# Altium PCB Daughterboard_PCB.PcbDoc (continued)
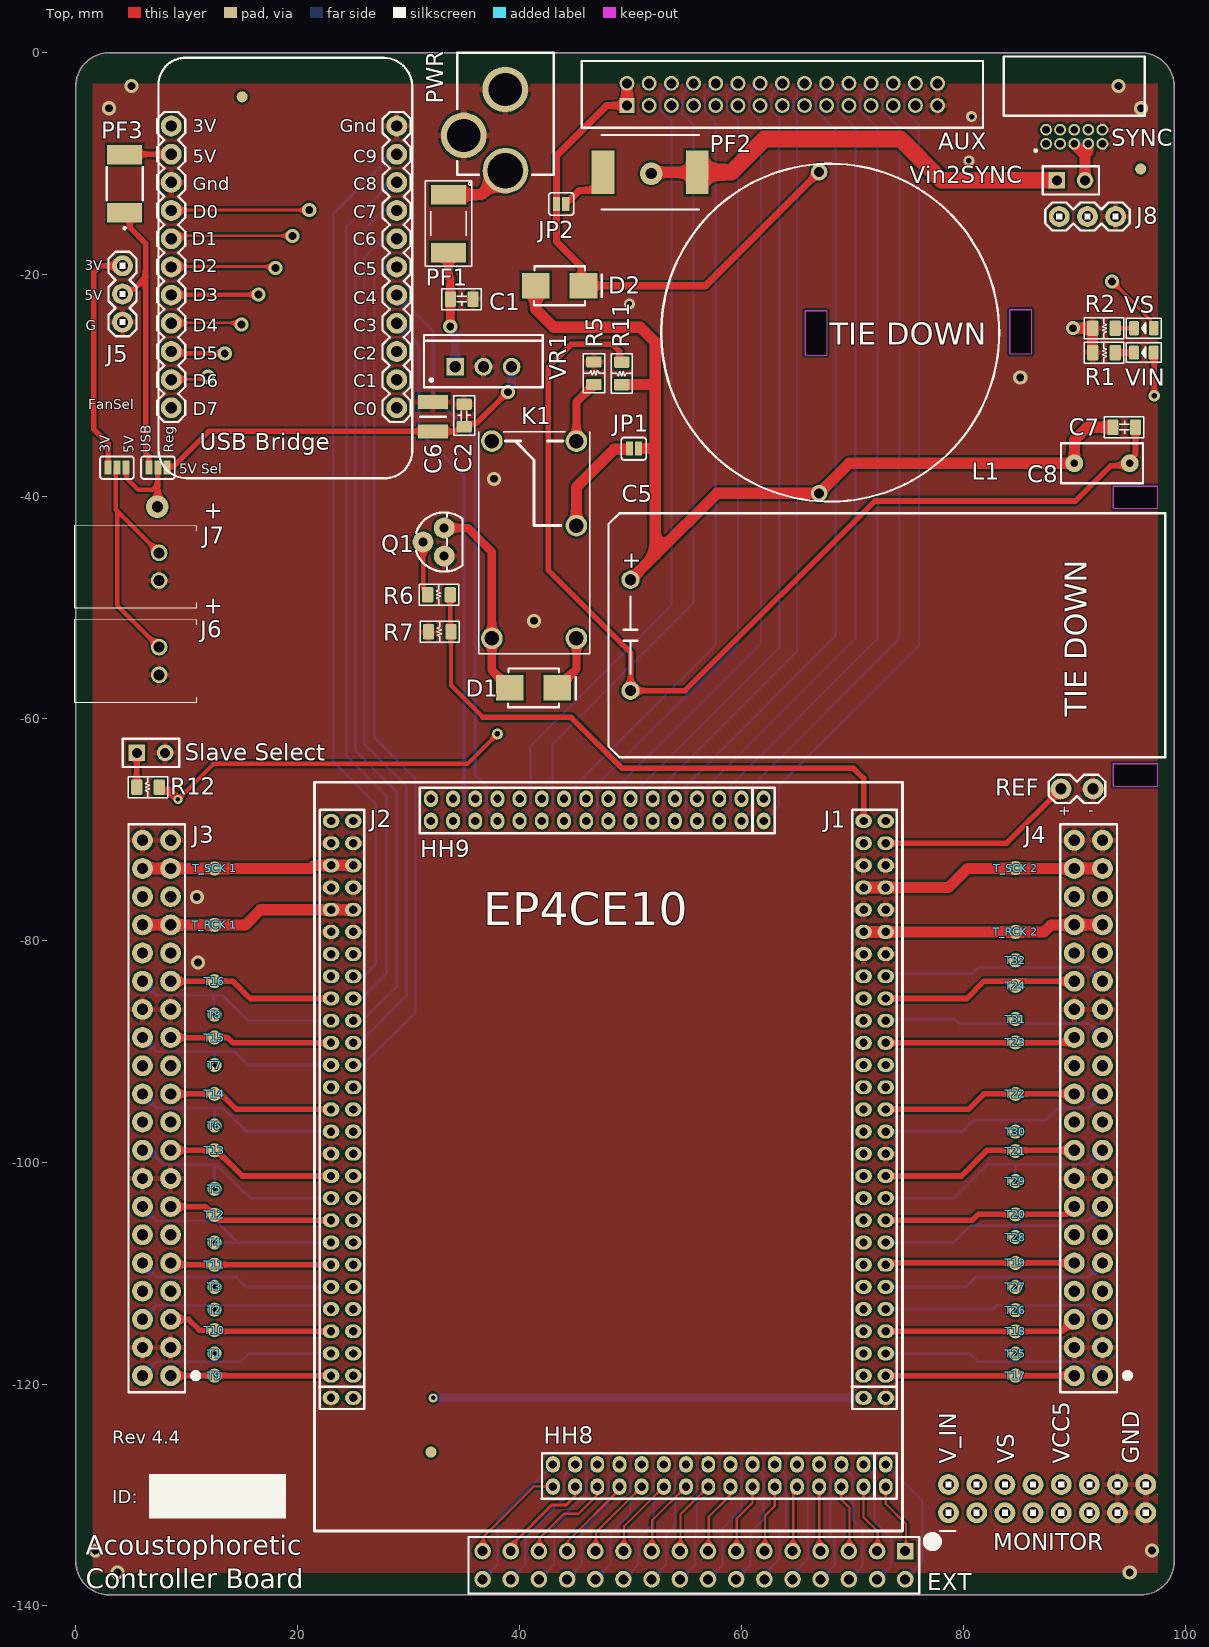
[diagram p0: Top view]
## Footprints (in the part's own frame and the unit in brackets; to place one, negate y for a bottom-side part, rotate by r counter-clockwise, add the part's x,y. Pads: shape width x height; smd on the part's side, far side on the other; paste and mask are expansions set on the pad)
1X02_LOCK_ [mil]
  round 74 hole 40: 1(-7,0) 2(107,0)
  silkscreen extent -50,-50 150,50, body extent -50,-49 150,49, height 241
1X03 [mil]
  round 74 hole 40: 1(0,0) 2(100,0) 3(200,0)
  silkscreen extent -50,-50 250,50
2X8_NOSILK [mil]
  round 74 hole 40: 1(0,0) 2(0,100) 3(100,0) 4(100,100) 5(200,0) 6(200,100) 7(300,0) 8(300,100) 9(400,0) 10(400,100) 11(500,0) 12(500,100) 13(600,0) 14(600,100) 15(700,0) 16(700,100)
  silkscreen extent -30,-65 710,110, body extent -50,-50 750,150, height 374
2X20_SOCKET [mil]
  round 74 hole 40: 1(0,0) 2(100,0) 3(0,-100) 4(100,-100) 5(0,-200) 6(100,-200) 7(0,-300) 8(100,-300) 9(0,-400) 10(100,-400) 11(0,-500) 12(100,-500) 13(0,-600) 14(100,-600) 15(0,-700) 16(100,-700) 17(0,-800) 18(100,-800) 19(0,-900) 20(100,-900) 21(0,-1000) 22(100,-1000) 23(0,-1100) 24(100,-1100) 25(0,-1200) 26(100,-1200) 27(0,-1300) 28(100,-1300) 29(0,-1400) 30(100,-1400) 31(0,-1500) 32(100,-1500) 33(0,-1600) 34(100,-1600) 35(0,-1700) 36(100,-1700) 37(0,-1800) 38(100,-1800) 39(0,-1900) 40(100,-1900)
  silkscreen extent -98,-1957 150,59, body extent -124,-2049 226,151, height 87
1812L010DR [mm]
  rect 1.78x3.15 smd: 1(-2.615,0) 2(2.615,0)
  silkscreen extent -4.1,-1.62 1.5,1.62, body extent -2.27,-1.63 2.27,1.63, height 0.75
CAP0805 [mil]
  rrect25% 55x40 smd: 1(0,40) 2(0,-40)
  silkscreen extent -38,-70 38,70, body extent -25,-39 25,39, height 49
"CAP-PTH-10MM PITCH 22M" [mil]
  round 65 hole 39.37: A(0,0) C(0,-393.7)
  silkscreen extent -79,-630 1898,236, body extent 79,-630 1898,236, height 846
CAPC3225X270N [mm]
  rect 1.26x2.72 smd: 1(-1.33,0) 2(1.33,0)
  silkscreen extent 0,-1.15 0,1.15, body extent -1.6,-1.25 1.6,1.25, height 2.7
FT232H [mil]
  round 74 hole 40: 3V(0,0) 5V(0,-100) C0(800,-1000) C1(800,-900) C2(800,-800) C3(800,-700) C4(800,-600) C5(800,-500) C6(800,-400) C7(800,-300) C8(800,-200) C9(800,-100) D0(0,-300) D1(0,-400) D2(0,-500) D3(0,-600) D4(0,-700) D5(0,-800) D6(0,-900) D7(0,-1000) GND(0,-200) GND(800,0)
  silkscreen extent -50,-1250 855,242, body extent -44,-1256 857,244, height 439
FUSM8867X300N [mm]
  rect 2.05x3.9 smd: 1(-4.25,0) 2(4.25,0)
  silkscreen extent -4.38,-3.35 4.38,3.35, body extent -4.13,-3.38 4.62,3.33, height 2.94
HDR1X2 [mm] "Connector; Header; 2 Position"
  rect 1.5x1.5 hole 0.9: 1(0,0)
  round 1.5 hole 0.9: 2(2.54,0)
  silkscreen extent -1.27,-1.27 3.81,1.27
HDR2X16 [mm] "Connector; Header; 16x2 Position"
  rect 1.5x1.5 hole 0.9: 1(0,0)
  round 1.5 hole 0.9: 2(0,2.54) 3(2.54,0) 4(2.54,2.54) 5(5.08,0) 6(5.08,2.54) 7(7.62,0) 8(7.62,2.54) 9(10.16,0) 10(10.16,2.54) 11(12.7,0) 12(12.7,2.54) 13(15.24,0) 14(15.24,2.54) 15(17.78,0) 16(17.78,2.54) 17(20.32,0) 18(20.32,2.54) 19(22.86,0) 20(22.86,2.54) 21(25.4,0) 22(25.4,2.54) 23(27.94,0) 24(27.94,2.54) 25(30.48,0) 26(30.48,2.54) 27(33.02,0) 28(33.02,2.54) 29(35.56,0) 30(35.56,2.54) 31(38.1,0) 32(38.1,2.54)
  silkscreen extent -1.27,-1.27 39.37,3.81, body extent -1.27,-1.27 39.37,3.81, height 9.5
"HEADER 16X2 - 2MM" [mm]
  oval 1.5x1.25 hole 0.75: 1(0,0) 2(2,0) 3(0,-2) 4(2,-2) 5(0,-4) 6(2,-4) 7(0,-6) 8(2,-6) 9(0,-8) 10(2,-8) 11(0,-10) 12(2,-10) 13(0,-12) 14(2,-12) 15(0,-14) 16(2,-14) 17(0,-16) 18(2,-16) 19(0,-18) 20(2,-18) 21(0,-20) 22(2,-20) 23(0,-22) 24(2,-22) 25(0,-24) 26(2,-24) 27(0,-26) 28(2,-26) 29(0,-28) 30(2,-28) 31(0,-30) 32(2,-30)
  silkscreen extent -1,-31 3.1,1, body extent -1.01,-31.11 2.99,1.18, height 6.35
"HEADER 27X2 - 2MM" [mm]
  oval 1.5x1.25 hole 0.75: 1(-30,-8) 2(-28,-8) 3(-30,-10) 4(-28,-10) 5(-30,-12) 6(-28,-12) 7(-30,-14) 8(-28,-14) 9(-30,-16) 10(-28,-16) 11(-30,-18) 12(-28,-18) 13(-30,-20) 14(-28,-20) 15(-30,-22) 16(-28,-22) 17(-30,-24) 18(-28,-24) 19(-30,-26) 20(-28,-26) 21(-30,-28) 22(-28,-28) 23(-30,-30) 24(-28,-30) 25(-30,-32) 26(-28,-32) 27(-30,-34) 28(-28,-34) 29(-30,-36) 30(-28,-36) 31(-30,-38) 32(-28,-38) 33(-30,-40) 34(-28,-40) 35(-30,-42) 36(-28,-42) 37(-30,-44) 38(-28,-44) 39(-30,-46) 40(-28,-46)
  oval 1.5x1.25 hole 0.762: 41(-30,-48) 42(-28,-48) 43(-30,-50) 44(-28,-50) 45(-30,-52) 46(-28,-52) 47(-30,-54) 48(-28,-54) 49(-30,-56) 50(-28,-56) 51(-30,-58) 52(-28,-58) 53(-30,-60) 54(-28,-60)
  silkscreen extent -31,-61.01 -26.95,-7, body extent -30.98,-61.14 -26.98,-6.84, height 6.35
"INDUCTOR HOR 2324VRC" [mm]
  round 1.5 hole 0.9: 1(-14.478,0) 2(14.478,0)
  silkscreen extent -15.23,-14.23 15.23,16.23, body extent -14.7,-13.82 14.94,15.82, height 14.15
"LED-0805 - GREEN" [mil]
  rrect25% 35x50 smd: +(-35,0) -(35,0)
  silkscreen extent -63,-35 63,35, body extent -40,-25 38,25, height 16
"LED-0805 - RED" [mil]
  rrect25% 35x50 smd: +(-35,0) -(35,0)
  silkscreen extent -63,-35 63,35, body extent -39,-25 39,25, height 16
OOKA-78SR [mm] "TO, Thru-Hole, Vertical, Heatsink Mounted; 3 In-Line Leads; Pitch 2.54 mm"
  round 1.6 hole 1: GND(0,0) OUT(2.54,0)
  rect 1.6x1.6 hole 1: IN(-2.54,0)
  silkscreen extent -5.35,-1.85 5.35,2.85, body extent -5.21,-2.79 5.21,4.94, height 16.58
PAD.03X.05 [mm]
  rrect100% 1.27x1.27 smd paste-0.635: P$1(0,0)
POLYFUSE [mm]
  rect 1.78x3.15 smd: 1(-2.615,0) 2(2.615,0)
  silkscreen extent -3.85,-2.1 3.85,2.1, body extent -2.3,-1.59 2.25,1.65, height 0.71
POWER_JACK_PTH_LOCK [mil]
  round 162 hole 118: GND(1,258.15) GNDBREAK(148.09,421.26)
  round 162 hole 125.98: PWR(0,546.37)
  silkscreen extent -171,128 171,561, body extent -177,0 193,567, height 433
"R82DC3330AA60K FILM CAP" [mm]
  round 1.6 / inner round 1.2 / far side round 1.6 hole 0.7: A(0,0) C(5,0)
  silkscreen extent -1.2,-1.8 6.2,1.8, body extent -1.2,-1.81 6.2,1.8, height 7.6
RES-0805 [mil]
  rrect25% 55x40 smd: 1(0,40) 2(0,-40)
  silkscreen extent -38,-70 38,70, body extent -24,-40 26,38, height 24
S2BXHA1LFSN [mm]
  round 1.5 hole 1: 1(0,0) 2(2.5,0)
  silkscreen extent -2.45,-3.4 5,7.6, body extent -2.37,-0.33 4.84,7.71, height 5.84
SHF-105-01-L-D-RA [mm]
  rect 0.9x1.2 smd far side: 1(0,-0.508) 2(0,1.778) 3(1.27,-0.508) 4(1.27,1.778) 5(2.54,-0.508) 6(2.54,1.778) 7(3.81,-0.508) 8(3.81,1.778) 9(5.08,-0.508) 10(5.08,1.778)
  round 1.07 hole 0.7: 1(0,0) 2(0,1.27) 3(1.27,0) 4(1.27,1.27) 5(2.54,0) 6(2.54,1.27) 7(3.81,0) 8(3.81,1.27) 9(5.08,0) 10(5.08,1.27)
  silkscreen extent -3.81,-0.71 8.89,7.87, body extent -3.81,-0.2 8.89,7.87, height 5.64
SMB-DIODE [mm]
  rect 2.5x2.3 smd: A(-2.15,0) C(2.15,0)
  silkscreen extent -2.3,-1.75 3.81,1.75, body extent -2.62,-1.82 2.57,1.78, height 2.4
SMT-JUMPER_2_NC_PASTE_SILK [mil]
  rect 25x50 smd paste+0: 1(-16,0) 2(16,0)
  silkscreen extent -44,-40 44,40
SMT-JUMPER_3_1-NC_PASTE_SILK [mil]
  rect 25x50 smd paste+0: 1(-32,0) 2(0,0) 3(32,0)
  silkscreen extent -60,-40 60,40
"SPDT POWER RELAY" [mm]
  round 1.95 hole 1.3: 11(7.62,7.62) 12(0,0) 14(0,7.62) A1(17.78,7.62) A2(17.78,0)
  silkscreen extent -0.82,-1.19 19.18,8.81, body extent -0.97,-1.13 19.03,8.87, height 10.5
STMM-115-02-L-D [mm]
  rect 1.35x1.35 / inner round 1.35 / far side rect 1.35x1.35 hole 0.9: 1(0,0)
  round 1.35 hole 0.9: 2(0,2) 3(2,0) 4(2,2) 5(4,0) 6(4,2) 7(6,0) 8(6,2) 9(8,0) 10(8,2) 11(10,0) 12(10,2) 13(12,0) 14(12,2) 15(14,0) 16(14,2) 17(16,0) 18(16,2) 19(18,0) 20(18,2) 21(20,0) 22(20,2) 23(22,0) 24(22,2) 25(24,0) 26(24,2) 27(26,0) 28(26,2) 29(28,0) 30(28,2)
  silkscreen extent -4.09,-2 32.09,4, body extent -4.06,-2.02 32.1,4.52, height 4.83
TO-92 [mil]
  round 74 hole 32: 1(-50,0) 2(0,75) 3(50,0)
  silkscreen extent -105,-65 105,100, body extent -111,-52 113,98, height 289

## Part data
"5V Sel" FanSel: library part JUMPER-SMT_3_1-NC_PASTE_SILK, Package=SMT-JUMPER_3_1-NC_PASTE_SILK, DeviceName=_SILK, DeviceSetName=JUMPER-SMT_3_1-NC_PASTE, GateName_1=G$1, LibraryName=SparkFun-Jumpers, SymbolName_1=SMT-JUMPER_3_1-NC_PASTE
AUX: "Samtec STMM Series, Series Number 115, 2mm Pitch 30 Way 2 Row Straight PCB Header, Solder Termination", Manufacturer_Name=SAMTEC, Mouser Part Number=200-STMM11502LD, RS Part Number=9012513, Datasheet Link=http://suddendocs.samtec.com/catalog_english/stmm.pdf, Geometry.Height=4.8mm, Manufacturer_Part_Number=STMM-115-02-L-D, Mouser Price/Stock=https://www.mouser.com/Search/Refine.aspx?Keyword=200-STMM11502LD, RS Price/Stock=http://uk.rs-online.com/web/p/products/9012513
C1 C2 C7: library part "CAP CERAMIC", PROD_ID=CAP-08280
C5 C8: library part "CAP ELECTRO", PROD_ID=CAP-09538
C6: "Capacitor", Manufacturer_Name="Murata Electronics", Mouser Part Number=81-GRM32ER71A476ME5L, Arrow Part Number=GRM32ER71A476ME15L, Arrow Price/Stock=https://www.arrow.com/en/products/grm32er71a476me15l/murata-manufacturing, Datasheet Link=https://psearch.en.murata.com/capacitor/product/GRM32ER71A476ME15%23.html, Height=2.7mm, Manufacturer_Part_Number=GRM32ER71A476ME15L, Mouser Price/Stock=https://www.mouser.co.uk/ProductDetail/Murata-Electronics/GRM32ER71A476ME15L?qs=xcCo%252BfWZmQV8JP9RObVeqA%3D%3D
D1 D2: library part "Diode SMB", "1 Amp General Purpose Rectifier", Code_JEDEC=DO-204-AL, ComponentLink1Description="Manufacturer Link", ComponentLink1URL=http://www.fairchildsemi.com/, ComponentLink2Description=Datasheet, ComponentLink2URL=http://www.fairchildsemi.com/ds/1N%2F1N4001.pdf, DatasheetVersion=1998, LatestRevisionDate=17-Jul-2002, LatestRevisionNote="Re-released for DXP Platform.", PackageDescription="Diode, Axial; Body 5.2 x 2.7 mm (LxDia. max), Lead Dia. 0.86 mm (max)", PackageReference=DO-41, PackageVersion=Aug-1999, Published=8-Jun-2000, Publisher="Altium Limited"
EXT HH8 HH9: library part "Header 16X2", "Header, 16-Pin, Dual row", LatestRevisionDate=17-Jul-2002, LatestRevisionNote="Re-released for DXP Platform.", Publisher="Altium Limited"
J1 J2: library part "Header 27x2", "Header, 30-Pin, Dual row"
J3 J4: library part CONN_20X2
J5 J8: library part CONN_03, Package=1X03, DeviceSetName=CONN_03, GateName_1=J$1, LibraryName=SparkFun-Connectors, PROD_ID=XXX-00000, SymbolName_1=CONN_03
J6 J7: "Connector", Manufacturer_Name="JST (JAPAN SOLDERLESS TERMINALS)", Manufacturer_Part_Number=S2B-XH-A-1(LF)(SN), Datasheet Link=http://www.jst-mfg.com/product/pdf/eng/eXH.pdf, Height=6.1mm
JP1 JP2: library part JUMPER-SMT_2_NC_PASTE_SILK, Package=SMT-JUMPER_2_NC_PASTE_SILK, DeviceName=_SILK, DeviceSetName=JUMPER-SMT_2_NC_PASTE, GateName_1=G$1, LibraryName=SparkFun-Jumpers, SymbolName_1=SMT-JUMPER_2_NC_PASTE
K1: library part "Power Relay SPDT", Contact_Current_Rating_Max="5 A", Contact_Switching_Voltage_Max="400 VAC", Package=None, Availability=Unavailable, MF="TE Connectivity", MP=1-1393219-0, Price=None, SnapEDA_Link=https://www.snapeda.com/parts/1-1393219-0/TE%20Connectivity/view-part/?ref=snap, TE_purchase_URL=https://www.te.com/usa-en/product-1-1393219-0.html?te_bu=Cor&te_type=disp&te_campaign=seda_glo_cor-seda-global-disp-prtnr-fy19-seda-model-bom-cta_sma-317_1&elqCampaignId=32493
L1: library part "INDUCTOR 2324-V-RC", "Bourns 1 mH +/-15% Leaded Inductor, 2.4A Idc, 300m Rdc 2300", Manufacturer_Name=Bourns, Manufacturer_Part_Number=2324-V-RC, RS Part Number=1729913, Allied_Number=70408237, Datasheet Link=http://uk.rs-online.com/web/p/products/1729913, Geometry.Height=32mm
MONITOR: library part CONN_08X2_NOSILK, Package=2X8_NOSILK, DeviceName=_NOSILK, DeviceSetName=CONN_08X2, GateName_1=J1, LibraryName=SparkFun-Connectors, SymbolName_1=CONN_2X8
PF1: "PTC Resettable Fuse 1.1A_hold_ 1.95A_trip_ 33VDC 20A 0.8W 0.5s 0.06Ohm SMD Solder Pad 1812 T/R", Package="1812 Littelfuse", Availability=Unavailable, MF="Littelfuse Inc.", MP=1812L110/33MR, Price=None, SnapEDA_Link=https://www.snapeda.com/parts/1812L110/33MR/Littelfuse%20Inc./view-part/?ref=snap
PF2: "Fuse", Arrow Part Number=MF-SM185/33-2, Manufacturer_Name=Bourns, Mouser Part Number=652-MF-SM185/33-2, Arrow Price/Stock=https://www.arrow.com/en/products/mf-sm18533-2/bourns, Datasheet Link=https://www.mouser.com/datasheet/2/54/bourns_mfsm-1159445.pdf, Height=3mm, Manufacturer_Part_Number=MF-SM185/33-2, Mouser Price/Stock=https://www.mouser.co.uk/ProductDetail/Bourns/MF-SM185-33-2?qs=lgDiYRnMSkaEGAwXdMV4ng%3D%3D
PF3: "Resettable Fuse", Manufacturer_Name=LITTELFUSE, Mouser Part Number=576-1812L050PR, Arrow Part Number=1812L050PR, Arrow Price/Stock=https://www.arrow.com/en/products/1812l050pr/littelfuse, Datasheet Link=http://www.littelfuse.com/~/media/electronics/datasheets/resettable_ptcs/littelfuse_ptc_1812l_datasheet.pdf.pdf, Height=1.25mm, Manufacturer_Part_Number=1812L050PR, Mouser Price/Stock=https://www.mouser.co.uk/ProductDetail/Littelfuse/1812L050PR?qs=PWhpLWeW8wetL6yrmAPPxg%3D%3D
PWR: library part POWER_JACKPTH_LOCK, PROD_ID=CONN-08197, SF_ID=PRT-00119
R1 R2 R5 R6 R7 R11 R12: library part RESISTOR, MPN=CRCW0603470RFKEA, Package=0603, MF=Vishay, OC_MOUSER=71-CRCW0603-470-E3, TYPE=Resistor
REF: library part CONN_02LOCK
"Slave Select" Vin2SYNC: library part "Header 2", "Header, 2-Pin", LatestRevisionDate=17-Jul-2002, LatestRevisionNote="Re-released for DXP Platform.", Publisher="Altium Limited"
SYNC: library part "1.27mm Header 2x05 SHF-105-01-L-D-RA", "SHF 1.27mm R/A shrouded PCB header, 10P Samtec SHF Series, 1.27mm Pitch 10 Way 2 Row Shrouded Right Angle PCB Header, Through Hole, Solder Termination", Manufacturer_Name=SAMTEC, RS Part Number=9011850, Datasheet Link=http://uk.rs-online.com/web/p/products/9011850, Manufacturer_Part_Number=SHF-105-01-L-D-RA
VIN VS: library part LED, Package=0805
  VIN: Datasheet=https://docs-emea.rs-online.com/webdocs/1302/0900766b81302e25.pdf
  VS: Datasheet=https://docs-emea.rs-online.com/webdocs/1302/0900766b81302e21.pdf
VR1: library part "Volt Reg", "Voltage Regulator", Datasheet=http://www.farnell.com/datasheets/1904473.pdf?_ga=2.85272922.296638663.1549285494-96194751.1546862067, LatestRevisionDate=29-May-2009, LatestRevisionNote="IPC-7351 Footprint Added.", PackageDescription="3-Pin Transistor Outline Package 2.54 mm Pitch, 15.1 mm Lead Span", PackageReference=D2PAK, Published=24-Mar-1999, Publisher="Altium Limited"

## Free pads (board coordinates)
  round 1 smd paste+0 mask+0.5: 1(14.986,-3.962) 1(32.004,-126.136) 1(95.987,-10.465)

## Via types
v1: diameter 1.27, hole 0.711, Top to Bottom, tented both sides, 22 vias
v2: diameter 0.8, hole 0.4, Top to Bottom, tented bottom, 16 vias
v3: diameter 1, hole 0.5, Top to Bottom, tented both sides, 5 vias
v4: diameter 1.27, hole 0.711, Top to Bottom, 2 vias
v5: diameter 2, hole 1, Top to Bottom, tented both sides, 2 vias
v6: diameter 0.8, hole 0.4, Top to Bottom, tented both sides, 2 vias

## Nets (pads, with @x,y where several pads share a name; then routed paths per layer and width w, separated by ;. In a path a pad name is that pad's centre, name@x,y a point inside that pad or via, vN(x,y) a via of type N, cw(c..) or ccw(c..) an arc to the next point about the centre after c; other vN are vias at no path point)
3V: "USB Bridge.3V" FanSel.3 J5.3 | length 41.2
  Top w0.5: FanSel.3 2.9,-37.387 2.9,-35.2 1.6,-33.9 1.6,-19.8 2.2,-19.2 J5.3
  VS w0.5: J5.3 1.4,-16.4 1.4,-7.9 2.7,-6.6 8.6,-6.6
5V_Reg: "5V Sel.1" C2.1 C6.2 VR1.OUT | length 36
  Top w0.5: 8.213,-37.4 8.213,-37.367 8.28,-37.3 8.8,-37.3 11.97,-34.13 C6.2 34.259,-34.13 34.552,-33.837 34.552,-33.774 34.81,-33.516 35,-33.516 35.104,-33.412 36.088,-33.412 v4@38.937,-30.563
  Bottom w0.75: v4(38.95,-30.575) 38.95,-30.367 39.28,-30.037 VR1.OUT
C0: "USB Bridge.C0" HH9.25 | length 39
  Internal w0.4: 28.923,-31.957 28.923,-55.161 38,-64.238 HH9.25
C1: "USB Bridge.C1" HH9.27 | length 43
  Internal w0.25: 28.499,-57.201 27.3,-56.002 27.3,-30 27.883,-29.417 28.923,-29.417 29.177,-29.417
  Internal w0.4: 28.499,-57.201 36,-64.702 HH9.27
C2: "USB Bridge.C2" HH9.29 | length 45.1
  Internal w0.25: 26.3,-57.618 26.3,-28.8 28.223,-26.877 28.923,-26.877
  Internal w0.4: 26.3,-57.618 34,-65.318 HH9.29
C3: "USB Bridge.C3" HH9.28 | length 47.8
  Bottom w0.3: 28.92,-24.38 30.9,-26.36 30.9,-34.1 35,-38.2 35,-68.3 35.053,-68.3 HH9.28
C4: "USB Bridge.C4" HH9.26 | length 51.2
  Bottom w0.3: 28.92,-21.84 32.2,-25.12 32.2,-30.9 36,-34.7 36,-65.1 37,-66.1 37,-68.247 HH9.26
C5: "USB Bridge.C5" J2.31 | length 78
  Bottom w0.25: J2.31 25.853,-91.247 30.6,-86.5 30.6,-65.4 26.9,-61.7 26.9,-20.3 27.943,-19.257 28.923,-19.257 29.177,-19.257
C6: "USB Bridge.C6" J2.33 | length 78.4
  Bottom w0.25: J2.33 25.553,-89.247 29.8,-85 29.8,-66.1 26,-62.3 26,-18.4 27.683,-16.717 28.923,-16.717
C7: "USB Bridge.C7" J2.35 | length 79.2
  Bottom w0.25: J2.35 25.853,-87.247 28.9,-84.2 28.9,-66.6 25.2,-62.9 25.2,-16.7 27.723,-14.177 28.923,-14.177 29.177,-14.177
C8: "USB Bridge.C8" J2.37 | length 78.9
  Bottom w0.25: J2.37 25.753,-85.247 28,-83 28,-67 24.4,-63.4 24.4,-15.7 28.463,-11.637 28.923,-11.637
C9: "USB Bridge.C9" J2.39 | length 79.9
  Bottom w0.25: J2.39 25.953,-83.247 27,-82.2 27,-67.7 23.2,-63.9 23.2,-14.5 28.603,-9.097 28.923,-9.097 29.177,-9.097
D: D1.A K1.A2 Q1.3 | length 18.1
  Top w0.75: Q1.3 35.33,-42.83 37.5,-45 K1.A2 37.5,-55.65 D1.A
D2: "USB Bridge.D2" HH9.30 | length 70.2
  Top w0.25: 8.857,-19.257 17.846,-19.257 v1(17.989,-19.4)
  Internal w0.4: v1(17.989,-19.4) 17.989,-57.587 31.42,-71.018 33.172,-71.018 34,-70.191 HH9.30
D3: "USB Bridge.D3" J2.41 | length 75.1
  Top w0.4: 8.603,-21.797 16.464,-21.797 v1(16.467,-21.8)
  Internal w0.4: v1(16.467,-21.8) 16.467,-58.453 28.4,-70.386 28.4,-80.3 27.453,-81.247 J2.41
D4: "USB Bridge.D4" J2.53 | length 55.1
  Top w0.25: 8.857,-24.337 14.781,-24.337 v1(14.944,-24.5)
  Internal w0.4: v1(14.944,-24.5) 14.944,-59.191 J2.53
D5: "USB Bridge.D5" J2.54 | length 51.2
  Top w0.4: 8.603,-26.877 8.826,-27.1 v1(13.422,-27.1)
  Internal w0.4: v1(13.422,-27.1) 13.589,-27.267 13.589,-60.089 22.747,-69.247 J2.54
D6: "USB Bridge.D6" J2.42 | length 60.7
  Top w0.25: 8.857,-29.417 11.683,-29.417 v1(11.9,-29.2)
  Internal w0.4: v1(11.9,-29.2) 12.116,-29.416 12.116,-62.116 20.7,-70.7 20.7,-79.8 22.147,-81.247 J2.42
  Bottom w0.25: v1@11.925,-29.225 v1(11.9,-29.2) v1@12.303,-29.2
D7: "USB Bridge.D7" J2.40 | length 57.9
  Internal w0.4: 8.603,-31.957 11,-34.354 11,-62.8 19.4,-71.2 19.4,-80.777 21.87,-83.247 J2.40
DS1: J2.6 J3.2 T1.P$1 | length 18.6
  Bottom w0.25: J3.2 7.265,-117.982 12.6,-117.982 ; v2(12.5,-117.25) 12.5,-117.882 12.6,-117.982 ; J2.6 15.62,-117.247 14.885,-117.982 12.6,-117.982
DS2: J2.10 J3.6 T2.P$1 | length 18.1
  Bottom w0.25: J3.6 7.265,-112.902 v2@12.5,-112.902 ; v2(12.5,-113.3) v2@12.5,-112.902 ; J2.10 22.655,-112.902 v2@12.5,-112.902
DS3: J2.12 J3.10 T3.P$1 | length 18.8
  Bottom w0.25: J3.10 7.265,-110.352 12.4,-110.352 ; v2(12.5,-111.25) 12.5,-110.452 12.4,-110.352 ; J2.12 15.347,-111.247 14.452,-110.352 12.4,-110.352
DS4: J2.16 J3.14 T4.P$1 | length 20.4
  Bottom w0.25: J3.14 7.265,-105.272 12.572,-105.272 14.547,-107.247 ; v2(12.5,-107.25) 14.544,-107.25 14.547,-107.247 ; J2.16 14.547,-107.247
DS5: J2.20 J3.18 T5.P$1 | length 22.3
  Bottom w0.25: J3.18 6.606,-98.927 7.926,-100.247 7.971,-100.202 12.624,-100.202 ; v2(12.5,-102.4) 12.5,-100.326 12.624,-100.202 ; 15.75,-103.25 16.997,-103.25 17,-103.247 ; J2.20 17,-103.247 ; 12.624,-100.202 15.172,-102.75 15.25,-102.75 15.747,-103.247 17,-103.247
DS6: J2.26 J3.22 T6.P$1 | length 20.1
  Bottom w0.25: J3.22 7.275,-95.122 12.4,-95.122 ; v2(12.5,-96.7) 12.5,-95.222 12.4,-95.122 ; 15.5,-97.25 15.386,-97.25 15.383,-97.247 ; J2.26 15.383,-97.247 ; 12.4,-95.122 13.258,-95.122 15.383,-97.247
DS7: J2.32 J3.26 T7.P$1 | length 19.3
  Bottom w0.25: J3.26 7.275,-90.042 12.4,-90.042 ; v2(12.5,-91.25) 12.5,-90.142 12.4,-90.042 ; 15.5,-91.25 15.503,-91.247 15.53,-91.247 ; J2.32 15.53,-91.247 ; 12.4,-90.042 14.325,-90.042 15.53,-91.247
DS8: J2.36 J3.30 T8.P$1 | length 20.3
  Bottom w0.25: J3.30 7.265,-84.952 12.425,-84.952 ; v2(12.5,-86.7) 12.425,-86.625 12.425,-84.952 ; J2.36 15.517,-87.247 13.222,-84.952 12.425,-84.952
DS9: J2.4 J3.1 T9.P$1 | length 14.5
  Top w0.5: J3.1 T9.P$1 J2.4
DS10: J2.8 J3.5 T10.P$1 | length 14.9
  Top w0.5: J3.5 10.167,-114.167 11.139,-115.139 T10.P$1 12.608,-115.247 J2.8
DS11: J2.14 J3.9 T11.P$1 | length 14.5
  Top w0.5: J3.9 8.7,-109.247 T11.P$1 J2.14
DS12: J2.18 J3.13 T12.P$1 | length 15
  Top w0.5: J3.13 11.65,-104.007 12.393,-104.75 T12.P$1 12.997,-105.247 J2.18
DS13: J2.22 J3.17 T13.P$1 | length 15.4
  Top w0.5: J3.17 T13.P$1 12.68,-98.927 15,-101.247 J2.22
DS14: J2.28 J3.21 T14.P$1 | length 15
  Top w0.5: J3.21 T14.P$1 13.075,-93.847 14.475,-95.247 J2.28
DS15: J2.34 J3.25 T15.P$1 | length 14.7
  Top w0.5: J3.25 T15.P$1 13.685,-88.767 14.165,-89.247 J2.34
DS16: J2.38 J3.29 T16.P$1 | length 15.1
  Top w0.5: J3.29 T16.P$1 14.142,-83.687 15.702,-85.247 J2.38
DS17: J1.3 J4.2 T17.P$1 | length 17
  Top w0.5: J1.3 T17.P$1 J4.2
DS18: J1.7 J4.6 T18.P$1 | length 17.4
  Top w0.5: J1.7 T18.P$1 88.92,-115.247 J4.6
DS19: J1.13 J4.10 T19.P$1 | length 17.1
  Top w0.5: J1.13 73.16,-109.087 T19.P$1 J4.10
DS20: J1.17 J4.14 T20.P$1 | length 17.5
  Top w0.5: J1.17 80.783,-105.247 81.33,-104.7 T20.P$1 89.307,-104.7 J4.14
DS21: J1.21 J4.18 T21.P$1 | length 18
  Top w0.5: J1.21 79.83,-101.247 82.15,-98.927 J4.18
DS22: J1.27 J4.22 T22.P$1 | length 17.6
  Top w0.5: J1.27 80.445,-95.247 81.845,-93.847 T22.P$1 J4.22
DS23: J1.33 J4.26 T23.P$1 | length 17.2
  Top w0.5: J1.33 89.52,-89.247 J4.26
DS24: J1.37 J4.30 T24.P$1 | length 17.6
  Top w0.5: J1.37 80.31,-85.247 81.87,-83.687 J4.30
DS25: J1.5 J4.1 T25.P$1 | length 21.1
  Bottom w0.25: J1.5 80.569,-117.247 81.305,-117.982 84.8,-117.982 ; v2(84.7,-117.25) 84.7,-117.882 84.8,-117.982 ; J4.1 92.5,-119.247 91.235,-117.982 84.8,-117.982
DS26: J1.9 J4.5 T26.P$1 | length 20.7
  Bottom w0.25: J1.9 82.653,-113.247 83.008,-112.892 84.7,-112.892 ; v2(84.7,-113.347) 84.7,-112.892 ; J4.5 91.265,-112.892 84.7,-112.892
DS27: J1.11 J4.9 T27.P$1 | length 21.4
  Bottom w0.25: J1.11 79.997,-111.247 80,-111.25 80.215,-111.25 81.118,-110.347 84.8,-110.347 ; v2(84.7,-111.25) 84.7,-110.447 84.8,-110.347 ; J4.9 91.275,-110.352 89.471,-110.352 89.466,-110.347 84.8,-110.347
DS28: J1.15 J4.13 T28.P$1 | length 21.9
  Bottom w0.25: J1.15 79.1,-107.247 80.647,-105.7 84.7,-105.7 ; v2(84.7,-106.75) 84.7,-105.7 ; J4.13 91.275,-105.272 89.451,-105.272 89.023,-105.7 84.7,-105.7
DS29: J1.19 J4.17 T29.P$1 | length 22.9
  Bottom w0.25: J1.19 78.997,-103.247 79,-103.25 79.122,-103.25 82.175,-100.197 84.6,-100.197 ; v2(84.7,-101.7) 84.7,-100.297 84.6,-100.197 ; J4.17 91.27,-100.197 84.6,-100.197
DS30: J1.25 J4.21 T30.P$1 | length 22.1
  Bottom w0.25: J1.25 79.918,-97.247 80.968,-96.197 ; 80.968,-96.282 80.968,-96.197 ; v2(84.7,-97.25) 84.7,-96.2 ; J4.21 91.265,-95.122 88.525,-95.122 87.45,-96.197 80.968,-96.197
DS31: J1.35 J4.25 T31.P$1 | length 20.7
  Bottom w0.25: J1.35 73.1,-87.147 79.25,-87.147 79.605,-87.502 84.7,-87.502 ; v2(84.7,-87.1) 84.7,-87.502 ; J4.25 91.275,-87.502 84.7,-87.502
DS32: J1.39 J4.29 T32.P$1 | length 21
  Bottom w0.25: J1.39 73.25,-82.997 80.847,-82.997 81.422,-82.422 84.7,-82.422 ; v2(84.7,-81.8) 84.7,-82.422 ; J4.29 91.275,-82.422 84.7,-82.422
EXTRA_1: EXT.2 HH8.1 | length 12.4
  Bottom w0.2: HH8.1 76.3,-130.547 76.3,-136.06 EXT.2
EXTRA_2: EXT.4 HH8.3 | length 11.9
  Bottom w0.2: HH8.3 72,-128.247 72,-132.4 73.5,-133.9 73.5,-136.32 EXT.4
EXTRA_3: EXT.6 HH8.5 | length 11.6
  Bottom w0.2: HH8.5 70,-128.247 70,-132.2 70.9,-133.1 70.9,-136.38 EXT.6
EXTRA_4: EXT.8 HH8.7 | length 11.5
  Bottom w0.2: HH8.7 68,-128.247 68,-133.625 68.4,-134.025 68.4,-136.34 EXT.8
EXTRA_5: EXT.10 HH8.9 | length 10.8
  Bottom w0.2: EXT.10@64.66,-137.1 66,-135.76 66,-128.247 HH8.9
EXTRA_6: EXT.12 HH8.11 | length 11
  Bottom w0.2: EXT.12@62.12,-137.1 63.4,-135.82 63.4,-133.5 64,-132.9 64,-128.247 HH8.11
EXTRA_7: EXT.14 HH8.13 | length 11.8
  Bottom w0.2: EXT.14 60.8,-136.32 60.8,-133.4 62,-132.2 62,-128.247 HH8.13
EXTRA_8: EXT.16 HH8.15 | length 12.2
  Bottom w0.2: EXT.16 58.3,-136.28 58.3,-133 60,-131.3 60,-127.95 59.297,-127.247 HH8.15
EXTRA_9: EXT.18 HH8.17 | length 11.4
  Bottom w0.2: EXT.18 55.8,-136.24 55.8,-133.25 56,-133.05 56,-128.247 HH8.17
EXTRA_10: EXT.20 HH8.19 | length 11.6
  Bottom w0.2: EXT.20 53.2,-136.3 53.2,-133.6 54,-132.8 54,-128.247 HH8.19
EXTRA_11: EXT.22 HH8.21 | length 11.9
  Bottom w0.2: EXT.22 50.7,-136.26 50.7,-134 52.075,-132.625 52.075,-128.172 HH8.21
EXTRA_12: EXT.24 HH8.23 | length 12.1
  Bottom w0.2: EXT.24 48.2,-136.22 48.2,-133.5 50,-131.7 50,-128.4 51,-127.4 HH8.23
EXTRA_13: EXT.26 HH8.25 | length 12.3
  Bottom w0.2: EXT.26 45.6,-136.28 45.6,-133.2 48,-130.8 48,-128.5 49,-127.5 HH8.25
EXTRA_14: EXT.28 HH8.27 | length 12.6
  Bottom w0.2: EXT.28 43.1,-136.24 43.1,-132.8 46,-129.9 46,-128.1 46.853,-127.247 HH8.27
EXTRA_15: EXT.30 HH8.29 | length 12.8
  Bottom w0.2: EXT.30 40.5,-136.3 40.5,-133.8 44,-130.3 44,-128.247 HH8.29
EXTRA_16: EXT.32 HH8.31 | length 13
  Bottom w0.2: EXT.32 38,-136.26 38,-132.247 HH8.31
EXTRA_17: EXT.31 HH8.32 | length 9.5
  Top w0.2: EXT.31 36.72,-135 36.72,-133.78 41.253,-129.247 HH8.32
EXTRA_18: EXT.29 HH8.30 | length 9
  Top w0.25: EXT.29 39.439,-134.821 39.439,-134.361 42.9,-130.9 44.2,-130.9 45,-130.1 HH8.30
EXTRA_19: EXT.27 HH8.28 | length 8.8
  Top w0.2: EXT.27 41.8,-135 41.8,-133.9 44,-131.7 45.3,-131.7 47,-130 HH8.28
EXTRA_20: EXT.25 HH8.26 | length 7.8
  Top w0.2: EXT.25 44.34,-135 44.34,-134.16 49,-129.5 HH8.26
EXTRA_21: EXT.23 HH8.24 | length 7.5
  Top w0.2: EXT.23 46.88,-135 46.88,-133.367 HH8.24
EXTRA_22: EXT.21 HH8.22 | length 7.3
  Top w0.2: EXT.21 49.42,-135 49.42,-132.827 HH8.22
EXTRA_23: EXT.19 HH8.20 | length 7.1
  Top w0.2: EXT.19 51.96,-135 51.96,-132.287 HH8.20
EXTRA_24: EXT.17 HH8.18 | length 6.9
  Top w0.2: EXT.17 54.5,-135 54.5,-131.747 HH8.18
EXTRA_25: EXT.15 HH8.16 | length 6.6
  Top w0.2: EXT.15 57.04,-135 57.04,-131.96 59,-130 HH8.16
EXTRA_26: EXT.13 HH8.14 | length 6.4
  Top w0.2: EXT.13 59.58,-135 59.58,-132.12 61,-130.7 HH8.14
EXTRA_27: EXT.11 HH8.12 | length 6.2
  Top w0.2: EXT.11 62.12,-135 62.12,-131.88 63,-131 HH8.12
EXTRA_28: EXT.9 HH8.10 | length 6
  Top w0.2: EXT.9 64.66,-135 64.66,-129.587 HH8.10
EXTRA_29: EXT.7 HH8.8 | length 5.9
  Top w0.2: HH8.8 67,-134.92 EXT.7
EXTRA_30: EXT.5 HH8.6 | length 6.1
  Top w0.2: HH8.6 69,-130.4 69.74,-131.14 69.74,-135 EXT.5
EXTRA_31: EXT.3 HH8.4 | length 6.4
  Top w0.2: HH8.4 71,-132 72.28,-133.28 72.28,-135 EXT.3
EXTRA_32: EXT.1 HH8.2 | length 6.6
  Top w0.2: HH8.2 73,-130.8 74.82,-132.62 74.82,-135 EXT.1
G: Q1.2 R6.1 | length 4.9
  Top w0.4: Q1.2 31.295,-48.244 31.712,-48.661 R6.1
GND: "Slave Select.2" "USB Bridge.GND" AUX.29 AUX.30 C1.2 C2.2 C6.1 J1.1 J1.23 J1.41 J1.42 J1.45 J1.46 J1.49 J1.50 J2.2 J2.24 J2.43 J2.44 J2.47 J2.48 J2.51 J2.52 J3.3 J3.4 J3.15 J3.16 J3.27 J3.28 J3.39 J3.40 J4.3 J4.4 J4.15 J4.16 J4.27 J4.28 J4.39 J4.40 J5.1 J6.1 J7.1 J8.1 MONITOR.13 MONITOR.14 MONITOR.15 MONITOR.16 PWR.GND PWR.GNDBREAK Q1.1 R1.2 R2.2 R5.1 R7.1 REF.1 SYNC.9 SYNC.10 VR1.GND | length 4
  Top w1: v1(89.9,-24.825) R2.2@91.651,-24.825 ; R1.2 91.651,-27.014 R2.2@91.651,-24.825 ; R2.2 91.658,-24.825 R2.2@91.651,-24.825
  other v1: 3.75,-137 95,-137 1.75,-135 97,-135 11,-82 10.9,-76.1 41.3,-51.2 37.7,-38.4 85.125,-29.275 3,-5 96,-5 5,-3 94,-3
  other v3: 49.9,-22.627 80.5,-9.75 80.75,-5.75
MISC_1: AUX.5 HH9.23 | length 68.2
  Internal w0.3: HH9.23 40,-61.5 53.679,-47.821 AUX.5
MISC_2: AUX.7 HH9.21 | length 68.2
  Internal w0.3: HH9.21 42,-61.5 55.679,-47.821 AUX.7
MISC_3: AUX.9 HH9.19 | length 68.2
  Internal w0.3: HH9.19 44,-61.25 57.679,-47.571 AUX.9
MISC_4: AUX.11 HH9.17 | length 68.2
  Internal w0.3: HH9.17 46,-64.974 59.679,-51.295 AUX.11
MISC_5: AUX.13 HH9.15 | length 68.2
  Internal w0.3: HH9.15 48,-65.132 61.679,-51.453 AUX.13
MISC_6: AUX.15 HH9.13 | length 68.2
  Internal w0.3: HH9.13 50,-65.214 63.679,-51.536 AUX.15
MISC_7: AUX.17 HH9.11 | length 68.2
  Internal w0.3: HH9.11 52,-65.272 64.75,-52.522 64.75,-5.679 AUX.17
MISC_8: AUX.19 HH9.9 | length 68.8
  Internal w0.3: HH9.9 54,-65.431 68.5,-50.931 68.5,-5.571 AUX.19
MISC_9: AUX.21 HH9.7 | length 68.6
  Internal w0.3: HH9.7 56,-65.437 70.25,-51.187 70.25,-5.321 AUX.21
MISC_10: AUX.23 HH9.5 | length 68.6
  Internal w0.3: HH9.5 58,-65.647 72.25,-51.397 72.25,-5.321 AUX.23
MISC_11: AUX.25 HH9.3 | length 68.6
  Internal w0.25: HH9.3 60,-65.781 74.25,-51.531 74.25,-5.321 AUX.25
MISC_12: AUX.27 HH9.1 | length 68.4
  Internal w0.25: HH9.1 62,-66.118 76,-52.118 76,-5.071 AUX.27
MISC_13: AUX.28 HH9.2 | length 73.2
  Bottom w0.2: HH9.2 63.373,-67.874 63.373,-66.04 76,-53.413 76,-6.496 74.704,-5.2 74.704,-3.725 AUX.28
MISC_14: AUX.26 HH9.4 | length 73.4
  Bottom w0.2: HH9.4 61.011,-68.236 61.011,-66.015 74.25,-52.775 74.25,-6.75 72.704,-5.204 72.704,-3.725 AUX.26
MISC_15: AUX.24 HH9.6 | length 73.4
  Bottom w0.2: HH9.6 59.03,-68.217 59.03,-66.04 72.25,-52.82 72.25,-6.7 70.704,-5.154 70.704,-3.725 AUX.24
MISC_16: AUX.22 HH9.8 | length 73.4
  Bottom w0.2: HH9.8 56.998,-68.249 56.998,-66.065 70.25,-52.813 70.25,-6.7 68.704,-5.154 68.704,-3.725 AUX.22
MISC_17: AUX.20 HH9.10 | length 73.7
  Bottom w0.2: HH9.10 55.016,-68.231 55.016,-66.04 68.5,-52.556 68.5,-6.95 66.704,-5.154 66.704,-3.725 AUX.20
MISC_18: AUX.18 HH9.12 | length 72.4
  Bottom w0.2: HH9.12 52.984,-68.263 52.984,-65.964 65,-53.948 65,-5.45 64.704,-5.154 64.704,-4.346 65,-4.05 65,-3.429 AUX.18
MISC_19: AUX.16 HH9.14 | length 72.8
  Bottom w0.2: HH9.14 50.108,-69.247 51.003,-68.351 51.003,-66.015 63.4,-53.618 63.4,-5.85 62.704,-5.154 62.704,-3.725 AUX.16
MISC_20: AUX.14 HH9.16 | length 73
  Bottom w0.2: HH9.16 48.997,-68.25 48.997,-65.989 61.75,-53.236 61.75,-6.2 60.704,-5.154 60.704,-3.725 AUX.14
MISC_21: AUX.12 HH9.18 | length 73
  Bottom w0.2: HH9.18 46.99,-68.257 46.99,-65.989 59.679,-53.3 59.679,-6.129 58.704,-5.154 58.704,-3.725 AUX.12
MISC_22: AUX.10 HH9.20 | length 73
  Bottom w0.2: HH9.20 45.009,-68.238 45.009,-66.04 57.679,-53.37 57.679,-6.25 56.704,-5.275 56.704,-3.725 AUX.10
MISC_23: AUX.8 HH9.22 | length 73
  Bottom w0.2: HH9.22 42.977,-68.27 42.977,-62.273 55.679,-49.571 55.679,-6.5 54.704,-5.525 54.704,-3.725 AUX.8
MISC_24: AUX.6 HH9.24 | length 73
  Bottom w0.2: HH9.24 40.97,-68.277 40.97,-62.53 53.679,-49.821 53.679,-6.129 52.704,-5.154 52.704,-3.725 AUX.6
NetC5_A: C5.A C7.1 C8.A D2.A JP1.1 L1.2 R11.1 | length 87.9
  Top w1: D2.A 41.45,-23.111 43.078,-24.74 50.876,-24.74 52.222,-26.086 52.222,-29.972 ; R11.1 52.166,-29.916 52.222,-29.972 ; C5.A 52.222,-45.278 ; 51.054,-35.687 52.197,-35.687 52.222,-35.662 ; C7.1 91.167,-33.75 90,-34.917 C8.A 69.706,-37 L1.2 57.794,-39.706 52.222,-45.278 ; 52.222,-45.278 52.222,-35.662 ; 52.222,-35.662 52.222,-29.972
NetC5_C: C5.C C7.2 C8.C R11.2 | length 97.8
  Top w0.5: R11.2 49.017,-27.701 49.017,-26.919 48.387,-26.289 44.653,-26.289 42.57,-28.372 42.57,-46.634 50,-54.064 C5.C 54.925,-57.5 72.025,-40.4 90.1,-40.4 93.29,-37.21 94.79,-37.21 C8.C 95,-36.702 95.516,-36.186 C7.2
NetJP2_1: JP2.1 PF2.2 | length 5.3
  Top w0.635: JP2.1 44.156,-13.307 44.474,-13.307 45.379,-12.402 46.808,-12.402 47.515,-11.695 PF2.2
NetPF3_2: "USB Bridge.5V" PF3.2 | length 4.2
  Top w0.5: PF3.2 4.445,-9.14 8.6,-9.14
NetR1_1: R1.1 VIN.- | length 1.7
  Top w0.5: R1.1 VIN.-
NetR2_1: R2.1 VS.- | length 1.7
  Top w0.3: R2.1 VS.-
"Shift CLK 1": "T_SCK 1.P$1" J2.49 J2.50 J3.37 J3.38 | length 19.1
  Top w1: J3.38 J3.37 12.5,-73.527 21.173,-73.527 21.453,-73.247 J2.50 J2.49
"Shift CLK 2": "T_SCK 2.P$1" J1.47 J1.48 J4.37 J4.38 | length 22.3
  Top w1: J1.48 J1.47 78.653,-75.247 80.373,-73.527 J4.38 J4.37
SQR: J1.51 REF.2 | length 17.8
  Top w0.5: J1.51 83.903,-71.247 REF.2
"Storage CLK 1": "T_RCK 1.P$1" J2.45 J2.46 J3.33 J3.34 | length 19.6
  Top w1: J3.34 J3.33 12.5,-78.607 15.293,-78.607 16.653,-77.247 J2.46 J2.45
"Storage CLK 2": "T_RCK 2.P$1" J1.43 J1.44 J4.33 J4.34 | length 21.8
  Top w1: J1.44 J1.43 84.7,-79.247 87.253,-79.247 87.893,-78.607 J4.34 J4.33
SYNC_MAIN: J1.8 SYNC.3 | length 151.5
  Internal w0.3: J1.8 70.953,-115.2 67.8,-115.2 65.6,-117.4 65.6,-124.8 66.2,-125.4 80.7,-125.4 87.075,-119.025 87.075,-22.275 85.775,-20.975 85.775,-10.775 86.963,-9.587 88.413,-9.587 88.722,-9.278 SYNC.3@88.722,-8.204
SYNC_MISC_1: J1.6 SYNC.1 | length 141.8
  Internal w0.3: J1.6 70.847,-117.4 68.8,-117.4 67.1,-119.1 67.1,-123.8 67.8,-124.5 78.4,-124.5 83.5,-119.4 83.5,-14.5 85,-13 85,-9.25 86.046,-8.204 SYNC.1@87.452,-8.204
SYNC_MISC_2: J1.4 SYNC.2 | length 134.4
  Internal w0.3: J1.4 69.753,-119.247 68.7,-120.3 68.7,-122 69.6,-122.9 76.6,-122.9 82.1,-117.4 82.1,-13.35 83.75,-11.7 83.75,-8.5 85.316,-6.934 SYNC.2@87.452,-6.934
SYNC_MISC_3: J1.29 SYNC.4 | length 100.1
  Internal w0.3: J1.29 76.453,-93.247 80.5,-89.2 80.5,-12.1 82.2,-10.4 82.25,-10.4 82.25,-7.5 84.25,-5.5 88.25,-5.5 88.722,-5.972 SYNC.4@88.722,-6.934
SYNC_MISC_4: J1.53 SYNC.8 | length 82.2
  Internal w0.2: J1.53 73.621,-69.247 77.368,-65.5 77.368,-7.772 81.635,-3.505 90.424,-3.505 91.262,-4.343 SYNC.8@91.262,-6.934
SYNC_MISC_5: J1.31 SYNC.6 | length 100.6
  Internal w0.2: J1.31 75.153,-91.247 78.867,-87.533 78.867,-9.333 83.653,-4.547 89.129,-4.547 89.992,-5.41 SYNC.6@89.992,-6.934
SyncMasterSelect: "Slave Select.1" J2.30 R12.1 | length 44
  Top w0.5: 5.322,-63.1 5.484,-63.262 R12.1
  Internal w0.5: 5.5,-63.1 5.5,-65 6.1,-65.6 10.5,-65.6 17.5,-72.6 17.5,-81 20.6,-84.1 20.6,-92.4 21.447,-93.247 J2.30
USB_RX_FPGA_TX: "USB Bridge.D1" HH9.32 | length 68.9
  Top w0.25: 8.603,-16.717 8.82,-16.5 v1(19.511,-16.5)
  Internal w0.4: v1(19.511,-16.5) 19.511,-56.758 HH9.32
USB_TX_FPGA_RX: "USB Bridge.D0" HH9.31 | length 69.9
  Top w0.25: 8.857,-14.177 v1(21.033,-14.177)
  Internal w0.25: 28.181,-62.419 28.181,-62.319
  Internal w0.4: v1(21.033,-14.177) 21,-14.21 21,-55.138 28.181,-62.319 32,-66.138 HH9.31
V_fan: FanSel.2 J6.2 J7.2 | length 23.2
  Top w0.4: FanSel.2 3.599,-37.501 3.599,-41.174 3.713,-41.287 ; J6.2 3.713,-49.787 3.713,-41.287 ; J7.2 3.713,-41.287
V_In: PF1.1 PF2.1 PWR.PWR Vin2SYNC.1 VIN.+ | length 123
  Top w0.5: VIN.+ 97.206,-27.08 v3(97.206,-30.912)
  Top w1: PF1.1 36.561,-12.785 PWR.PWR ; v5(51.867,-10.897) 51.994,-10.77 PF2.1
  Top w1.5: PF2.1 59.08,-10.77 62.075,-7.775 74.325,-7.775 78.05,-11.5 Vin2SYNC.1
  Internal w1: PWR.PWR 51.32,-10.621 51.596,-10.897 v5(51.867,-10.897)
  VS w0.5: v5(51.867,-10.897) 58.75,-17.78 95.656,-17.78 96.647,-18.771 96.647,-30.353 v3(97.206,-30.912)
V_in_fused: AUX.1 AUX.2 D2.C J8.3 JP2.2 L1.1 MONITOR.1 MONITOR.2 | length 321.3
  Top w0.635: AUX.1 47.85,-4.75 43.344,-9.256 JP2.2 43.344,-17.069 44.975,-18.7 45.564,-19.289 45.564,-20.814 D2.C 56.75,-21 L1.1
  Top w1: AUX.1 AUX.2
  VS w1: AUX.2 AUX.1 49.679,-7.166 ; MONITOR.2 MONITOR.1 31.321,-131.6 29.337,-129.616 5.715,-129.616 2.591,-126.492 2.591,-61.409 4.475,-59.525 10.15,-59.525 12.7,-56.975 12.7,-54.813 35.128,-32.385 40.996,-32.385 45.847,-27.534 45.847,-10.998 49.679,-7.166 ; J8.3 62.001,-14.757 55.016,-7.772 50.285,-7.772 49.679,-7.166
V_in_fused1: C1.1 PF1.2 VR1.IN | length 11
  Top w0.75: PF1.2 33.6,-20.19 33.764,-20.354 33.764,-22.341 33.75,-22.355 33.757,-22.362 33.757,-24.668 v4(33.75,-24.675) ; VR1.IN@33.849,-27.949 VR1.IN
  Bottom w0.75: v4(33.75,-24.675) 33.75,-24.816 34.2,-25.266 VR1.IN
V_In_LC'd: J8.2 JP1.2 K1.11 | length 70.8
  Top w1: K1.11 45.12,-39.132 48.514,-35.738 49.454,-35.738
  VCC w1: K1.11 45.12,-39.105 63.473,-20.752 88.519,-20.752 91.186,-18.085 J8.2
VBUS: "5V Sel.3" J5.2 PF3.1 | length 26.6
  Top w0.5: J5.2 4.573,-21.74 4.988,-21.325 5.175,-21.325 6.3,-20.2 ; PF3.1 4.862,-14.877 4.862,-15.762 6.3,-17.2 6.3,-20.2 ; 6.587,-37.4 6.587,-36.387 6.3,-36.1 6.3,-20.2
VCC5: "5V Sel.2" AUX.3 AUX.4 FanSel.1 J1.24 J2.23 J3.7 J3.8 J3.19 J3.20 J3.31 J3.32 J4.7 J4.8 J4.19 J4.20 J4.31 J4.32 MONITOR.9 MONITOR.10 | length 10.5
  Top w0.4: FanSel.1 4.557,-37.444 4.557,-38.357 5.6,-39.4 6.9,-39.4 7.4,-38.9
  Top w0.5: v5(7.341,-40.919) 7.4,-40.86 7.4,-38.9 7.4,-37.4
  Internal w0.75: MONITOR.9 MONITOR.10
VCC33: D1.C J1.2 J2.1 K1.A1 R12.2 | length 165.2
  Top w0.4: v6(9.2,-67.3) 12.4,-64.1 35.3,-64.1 v3(38,-61.4)
  Top w0.75: R12.2 7.516,-66.387 7.649,-66.52 8.42,-66.52 v6(9.2,-67.3) ; D1.C 43.5,-57.25 44.275,-56.475 44.275,-56.375 45.12,-55.53 K1.A1
  Internal w0.75: v6@9.2,-67.2 15.5,-73.5 15.5,-82.5 18.95,-85.95 18.95,-122.7 20.75,-124.5 23.75,-124.5 25,-123.25 J2.1 v6(32.2,-121.247)
  VS w0.4: v3(38,-61.4) 45.12,-54.28 K1.A1
  Bottom w0.75: v6(32.2,-121.247) J1.2
Vin2SYNC: SYNC.5 SYNC.7 Vin2SYNC.2 | length 9.8
  Top w1: SYNC.5@89.992,-8.204 89.992,-8.223 90.965,-9.196 ; Vin2SYNC.2 90.965,-9.196 ; SYNC.7@91.262,-8.204 91.249,-8.218 91.249,-8.912 90.965,-9.196
  Bottom w1: Vin2SYNC.2 90.965,-9.196 89.992,-8.223 89.992,-8.204 SYNC.7@91.262,-8.204
VS: J3.11 J3.12 J3.23 J3.24 J3.35 J3.36 J4.11 J4.12 J4.23 J4.24 J4.35 J4.36 K1.14 MONITOR.5 MONITOR.6 R5.2 VS.+ | length 14.2
  Top w0.3: v1(93.4,-20.6) 96.868,-24.068 96.868,-24.536 VS.+
  Top w0.75: K1.14 45.12,-31.48 46.377,-30.224 46.377,-30.033 46.51,-29.9 R5.2
  Internal w0.75: MONITOR.5 MONITOR.6
VS_TOG: J1.54 R6.2 R7.2 | length 52.7
  Top w0.4: R6.2 33.744,-52.128 R7.2 33.816,-57.016 36.7,-59.9
  Top w0.5: 36.7,-59.9 44.65,-59.9 49.25,-64.5 70.1,-64.5 71,-65.4 J1.54
pads on no net: J1.10 J1.12 J1.14 J1.16 J1.18 J1.20 J1.22 J1.26 J1.28 J1.30 J1.32 J1.34 J1.36 J1.38 J1.40 J1.52 J2.3 J2.5 J2.7 J2.9 J2.11 J2.13 J2.15 J2.17 J2.19 J2.21 J2.25 J2.27 J2.29 K1.12 MONITOR.3 MONITOR.4 MONITOR.7 MONITOR.8 MONITOR.11 MONITOR.12

## Polygon pours and split planes (outlines as drawn)
GND on GND "GND" (solid, remove dead copper, pour order 11): 5.121,-3 5.121,-133.879 94,-133.879 94,-3
VS on VS "VS" (solid, remove dead copper, pour order 0): 5,-4 4,-134 94,-134 94,-4
VCC5 on VCC "VCC5" (solid, remove dead copper, pour order 2): 5.121,-3 5.121,-133.879 94,-133.879 94,-3
GND on Bottom "GND" (solid, remove dead copper, pour order 6): 1.5,-2.8 1.5,-137 97.5,-137 97.5,-2.8
GND on Top "GND" (solid, remove dead copper, pour order 8): 1.5,-2.8 1.5,-137 97.5,-137 97.5,-2.8
GND on Internal "INTERNAL" (solid, remove dead copper, pour order 13): 5.121,-3 5.121,-133.879 94,-133.879 94,-3

## Keep-outs
Keep-Out Layer:
  lines w0.1: 0,-136 ccw(c3,-136) 3,-139 96,-139 ccw(c96,-136) 99,-136 99,-64.5 99,-45 99,-40.5 99,-21 99,-3 ccw(c96,-3) 96,0 3,0 ccw(c3,-3) 0,-3 0,-136 ; 65.725,-27.25 67.725,-27.25 67.725,-23.25 65.725,-23.25 65.725,-27.25 ; 84.175,-27.15 86.15,-27.15 86.15,-23.15 84.175,-23.15 84.175,-27.15 ; 93.525,-66.1 93.525,-64.1 97.525,-64.1 97.525,-66.1 93.525,-66.1 ; 93.525,-41.075 93.525,-39.075 97.525,-39.075 97.525,-41.075 93.525,-41.075

## Silkscreen, mask and mechanical layers (free items; w line width, h text height)
Top Overlay:
  rectangle: 6.572,-132.119 18.947,-128.119
  lines w0.254: 21.5,-133.247 21.5,-65.747 74.5,-65.747 74.5,-133.247 21.5,-133.247
  lines w1: 77.55,-134.113 ccw(c77.2,-134.2) 77.554,-134.129
  text "D1" at 10.45,-17.325 h1.2
  text "C6" at 24.95,-17.325 h1.2
  text "3V" at 0.8,-19.6 h0.9
  text "D2" at 10.475,-19.775 h1.2
  text "C5" at 25,-20.05 h1.2
  text "5V" at 0.8,-22.3 h0.9
  text "G" at 0.9,-25 h0.9
  text "TIE DOWN" at 67.975,-26.325 h2
  text "3V" at 3.044,-36.049 h0.9 r90
  text "USB" at 6.744,-36.049 h0.9 r90
  text "Reg" at 8.844,-36.049 h0.9 r90
  text "5V" at 5.2,-36.1 h0.9 r90
  text "+" at 11.527,-42.01 h1.52
  text "+" at 11.527,-50.545 h1.52
  text "TIE DOWN" at 91.125,-59.85 h2 r90
  text "-" at 91.275,-68.75 h1
  text "+" at 88.575,-68.767 h1
  text "EP4CE10" at 36.725,-78.625 h3
  text "Rev 4.4" at 3.268,-125.4 h1.2
  text "V_IN" at 79.35,-127.2 h1.52 r90
  text "VS" at 84.6,-127.2 h1.52 r90
  text "VCC5" at 89.6,-127.2 h1.52 r90
  text "GND" at 95.85,-127.2 h1.52 r90
  text "ID:" at 3.268,-130.769 h1.2
  text "Acoustophoretic / Controller Board" at 0.875,-138.975 h3
Bottom Overlay:
  drawing of 2095 lines, arcs and shapes, not listed
  text "20V MAX" at 31.8,-3.7 h2
  text "MATCH / ORIENTATION" at 81.1,-52.9 h5.5
Bottom Mask:
  text "PCB by Ben Kazemi / MSD Lab  / UCL © 2020 - 2023" at 62.437,-115.166 h2.4

## Text inside footprints (layer, text, board x,y; h text height)
C5: Top Overlay "+" at 50.8,-44.95 h1.52 r90
"USB Bridge": Top Overlay "C4" at 25,-22.65 h1.2; Top Overlay "Gnd" at 23.8,-7.15 h1.2; Top Overlay "C9" at 25,-9.9 h1.2; Top Overlay "C8" at 25,-12.4 h1.2; Top Overlay "C7" at 25,-14.9 h1.2; Top Overlay "C3" at 25,-25.15 h1.2; Top Overlay "C2" at 25,-27.65 h1.2; Top Overlay "C1" at 25,-30.15 h1.2; Top Overlay "C0" at 25,-32.65 h1.2; Top Overlay "D7" at 10.55,-32.65 h1.2; Top Overlay "D6" at 10.55,-30.15 h1.2; Top Overlay "D5" at 10.55,-27.65 h1.2; Top Overlay "D4" at 10.55,-25.15 h1.2; Top Overlay "D3" at 10.55,-22.4 h1.2; Top Overlay "D0" at 10.55,-14.9 h1.2; Top Overlay "Gnd" at 10.55,-12.4 h1.2; Top Overlay "5V" at 10.55,-9.9 h1.2; Top Overlay "3V" at 10.55,-7.15 h1.2